# Allegro board SDHCalFEB_old.brd (continued)
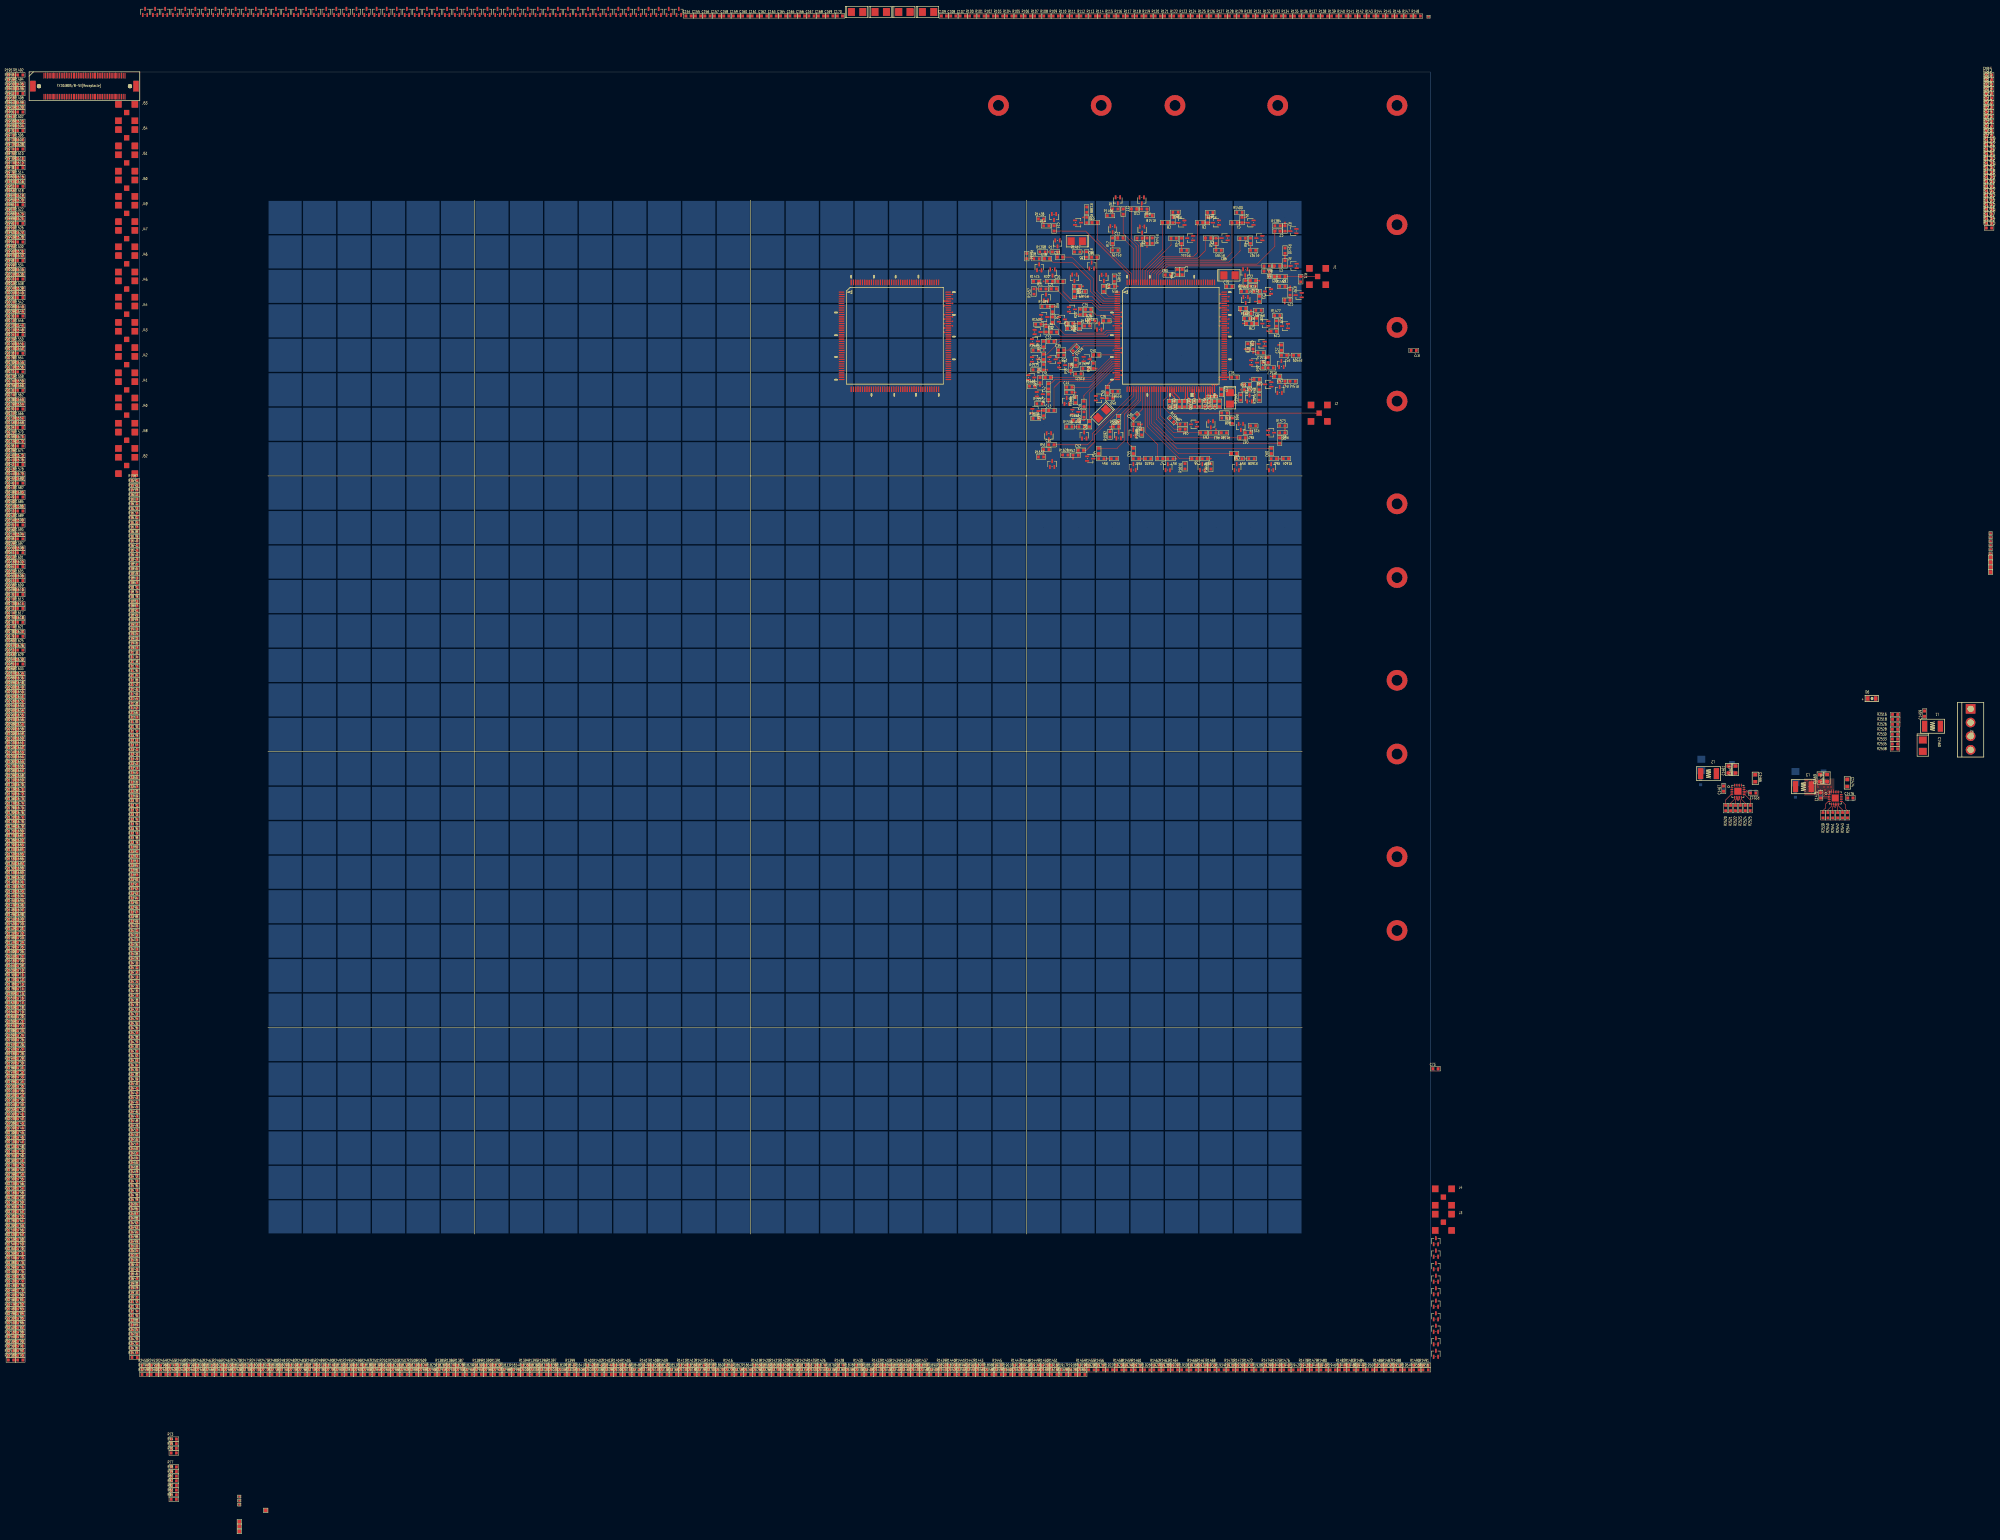
[diagram p0: board, top side]
## Footprints (pads in the part's own frame, mm; a bottom-side part is the same pattern mirrored in y, then rotated) (continued)
SC0603
  rect 0.813x0.889 smd: 1(-0.762,0) 2(0.762,0)
SC0805
  rect 1.016x1.143 smd: 1(-1.016,0) 2(1.016,0)
SC1206
  rect 1.397x1.651 smd: 1(-1.397,0) 2(1.397,0)
SD0805
  rect 1.016x1.27 smd: 1(-1.143,0) 2(1.143,0)
SIP-4P-156
  rect 2.794x2.794 hole 1.778: 1(-5.944,0)
  round 2.794 hole 1.778: 2(-1.981,0) 3(1.981,0) 4(5.944,0)
SL1812
  rect 1.524x3.175 smd: 1(-2.286,0) 2(2.286,0)
SMA_SMD
  rect 1.524x1.524 smd: 1(0,0)
  rect 1.905x1.905 smd: 2(2.375,2.375) 3(2.375,-2.375) 4(-2.375,-2.375) 5(-2.375,2.375)
SR0603
  rect 0.762x0.813 smd: 1(-0.762,0) 2(0.762,0)
STC3528
  rect 2.032x2.286 smd: 1(-1.651,0) 2(1.651,0)
TESTPAD
  rect 0.635x0.508 smd: 1(0,0)
TESTPADGND
  rect 1.016x1.016 smd: 1(0,0)
TPS7A85
  oval 0.813x0.254 smd: 1(-1.75,1) 2(-1.75,0.5) 3(-1.75,0) 4(-1.75,-0.5) 5(-1.75,-1) 11(1.75,-1) 12(1.75,-0.5) 13(1.75,0) 14(1.75,0.5) 15(1.75,1)
  oval 0.254x0.813 smd: 6(-1,-1.75) 7(-0.5,-1.75) 8(0,-1.75) 9(0.5,-1.75) 10(1,-1.75) 16(1,1.75) 17(0.5,1.75) 18(0,1.75) 19(-0.5,1.75) 20(-1,1.75)
  rect 2.057x2.057 smd: 21(0,0)

## Nets
+5VIN: J55.2 J55.3 L1.1
GND: C67.1 C68.1 C69.1 C70.1 C71.1 C72.1 C73.1 C74.1 C75.2 C76.2 C77.2 C78.2 C79.2 C80.2 C81.2 C82.2 C83.2 C84.2 C85.2 C86.2 C87.2 C154.1 C155.1 C156.1 C157.1 C158.1 C159.1 C160.1 C161.1 C162.2 C163.2 C164.2 C165.2 C166.2 C167.2 C168.2 C169.2 C170.2 C171.2 C172.2 C173.2 C174.2 C1459.2 C1460.2 C1461.2 C1462.2 C1463.2 C1465.2 C1466.1 C1468.2 C1469.2 C1470.2 C1471.2 C1472.2 C1473.2 C1474.1 C1476.2 D6.2(CATHODE) J1.2 J1.3 J1.4 J1.5 J2.2 J2.3 J2.4 J2.5 J3.2 J3.3 J3.4 J3.5 J4.2 J4.3 J4.4 J4.5 J40.2 J40.3 J40.4 J40.5 J41.2 J41.3 J41.4 J41.5 J42.2 J42.3 J42.4 J42.5 J43.2 J43.3 J43.4 J43.5 J44.2 J44.3 J44.4 J44.5 J45.2 J45.3 J45.4 J45.5 J46.2 J46.3 J46.4 J46.5 J47.2 J47.3 J47.4 J47.5 J48.2 J48.3 J48.4 J48.5 J49.2 J49.3 J49.4 J49.5 J50.2 J50.3 J50.4 J50.5 J51.2 J51.3 J51.4 J51.5 J52.2 J52.3 J52.4 J52.5 J53.2 J53.3 J53.4 J53.5 J54.2 J54.3 J54.4 J54.5 J55.1 J55.4 R69.2 R71.2 R72.1 R154.2 R155.1 R1384.1 R1385.1 R1386.1 R1387.1 R1388.1 R1389.1 R1390.1 R1391.1 R1392.1 R1393.1 R1394.1 R1395.1 R1396.1 R1397.1 R1398.1 R1399.1 R1400.1 R1401.1 R1402.1 R1403.1 R1404.1 R1405.1 R1406.1 R1407.1 R1408.1 R1409.1 R1410.1 R1411.1 R1412.1 R1413.1 R1414.1 R1415.1 R1416.1 R1417.1 R1418.1 R1419.1 R1420.1 R1421.1 R1422.1 R1423.1 R1424.1 R1425.1 R1426.1 R1427.1 R1428.1 R1429.1 R1430.1 R1431.1 R1432.1 R1433.1 R1434.1 R1435.1 R1436.1 R1437.1 R1438.1 R1439.1 R1440.1 R1441.1 R1442.1 R1443.1 R1444.1 R1445.1 R1446.1 R1447.1 R1448.1 R1449.1 R1450.1 R1451.1 R1452.1 R1453.1 R1454.1 R1455.1 R1456.1 R1457.1 R1458.1 R1459.1 R1460.1 R1461.1 R1462.1 R1463.1 R1464.1 R1465.1 R1466.1 R1467.1 R1468.1 R1469.1 R1470.1 R1471.1 R1472.1 R1473.1 R1474.1 R1475.1 R1476.1 R1477.1 R1478.1 R1479.1 R1480.1 R1481.1 R1482.1 R1483.1 R1484.1 R1485.1 R1486.1 R1487.1 R1488.1 R1489.1 R1490.1 R1491.1 R1492.1 R1493.1 R1494.1 R1495.1 R1496.1 R1497.1 R1498.1 R1499.1 R1500.1 R1501.1 R1502.1 R1503.1 R1504.1 R1505.1 R1506.1 R1507.1 R1508.1 R1509.1 R1510.1 R1511.1 R1512.1 R1513.1 R1514.1 R1515.1 R1516.1 R1517.1 R1518.1 R1519.1 R1520.1 R1521.1 R1522.1 R1523.1 R1524.1 R1525.1 R1526.1 R1527.1 R1528.1 R1529.1 R1530.1 R1531.1 R1532.1 R1533.1 R1534.1 R1535.1 R1536.1 R1537.1 R1538.1 R1539.1 R1540.1 R1541.1 R1542.1 R1543.1 R1544.1 R1545.1 R1546.1 R1547.1 R1548.1 R1549.1 R1550.1 R1551.1 R1552.1 R1553.1 R1554.1 R1555.1 R1556.1 R1557.1 R1558.1 R1559.1 R1560.1 R1561.1 R1562.1 R1563.1 R1564.1 R1565.1 R1566.1 R1567.1 R1568.1 R1569.1 R1570.1 R1571.1 R1572.1 R1573.1 R1574.1 R1575.1 R1576.1 R1577.1 R1578.1 R1579.1 R1580.1 R1581.1 R1582.1 R1583.1 R1584.1 R1585.1 R1586.1 R1587.1 R1588.1 R1589.1 R1590.1 R1591.1 R1592.1 R1593.1 R1594.1 R1595.1 R1596.1 R1597.1 R1598.1 R1599.1 R1600.1 R1601.1 R1602.1 R1603.1 R1604.1 R1605.1 R1606.1 R1607.1 R1608.1 R1609.1 R1610.1 R1611.1 R1612.1 R1613.1 R1614.1 R1615.1 R1616.1 R1617.1 R1618.1 R1619.1 R1620.1 R1621.1 R1622.1 R1623.1 R1624.1 R1625.1 R1626.1 R1627.1 R1628.1 R1629.1 R1630.1 R1631.1 R1632.1 R1633.1 R1634.1 R1635.1 R1636.1 R1637.1 R1638.1 R1639.1 R1648.1 R1649.1 R1650.1 R1651.1 R1652.1 R1653.1 R1654.1 R1655.1 R1656.1 R1657.1 R1658.1 R1659.1 R1660.1 R1661.1 R1662.1 R1663.1 R1664.1 R1665.1 R1666.1 R1667.1 R1668.1 R1669.1 R1670.1 R1671.1 R1672.1 R1673.1 R1674.1 R1675.1 R1676.1 R1677.1 R1678.1 R1679.1 R1680.1 R1681.1 R1682.1 R1683.1 R1684.1 R1685.1 R1686.1 R1687.1 R1688.1 R1689.1 R1690.1 R1691.1 R1692.1 R1693.1 R1694.1 R1695.1 R1696.1 R1697.1 R1698.1 R1699.1 R1700.1 R1701.1 R1702.1 R1703.1 R1704.1 R1705.1 R1706.1 R1707.1 R1708.1 R1709.1 R1710.1 R1711.1 R1712.1 R1713.1 R1714.1 R1715.1 R1716.1 R1717.1 R1718.1 R1719.1 R1720.1 R1721.1 R1722.1 R1723.1 R1724.1 R1725.1 R1726.1 R1727.1 R1728.1 R1729.1 R1730.1 R1731.1 R1732.1 R1733.1 R1734.1 R1735.1 R1736.1 R1737.1 R1738.1 R1739.1 R1740.1 R1741.1 R1742.1 R1743.1 R1744.1 R1745.1 R1746.1 R1747.1 R1748.1 R1749.1 R1750.1 R1751.1 R1752.1 R1753.1 R1754.1 R1755.1 R1756.1 R1757.1 R1758.1 R1759.1 R1760.1 R1761.1 R1762.1 R1763.1 R1764.1 R1765.1 R1766.1 R1767.1 R1768.1 R1769.1 R1770.1 R1771.1 R1772.1 R1773.1 R1774.1 R1775.1 R1776.1 R1777.1 R1778.1 R1779.1 R1780.1 R1781.1 R1782.1 R1783.1 R1784.1 R1785.1 R1786.1 R1787.1 R1788.1 R1789.1 R1790.1 R1791.1 R1792.1 R1793.1 R1794.1 R1795.1 R1796.1 R1797.1 R1798.1 R1799.1 R1800.1 R1801.1 R1802.1 R1803.1 R1804.1 R1805.1 R1806.1 R1807.1 R1808.1 R1809.1 R1810.1 R1811.1 R1812.1 R1813.1 R1814.1 R1815.1 R1816.1 R1817.1 R1818.1 R1819.1 R1820.1 R1821.1 R1822.1 R1823.1 R1824.1 R1825.1 R1826.1 R1827.1 R1828.1 R1829.1 R1830.1 R1831.1 R1832.1 R1833.1 R1834.1 R1835.1 R1836.1 R1837.1 R1838.1 R1839.1 R1840.1 R1841.1 R1842.1 R1843.1 R1844.1 R1845.1 R1846.1 R1847.1 R1848.1 R1849.1 R1850.1 R1851.1 R1852.1 R1853.1 R1854.1 R1855.1 R1856.1 R1857.1 R1858.1 R1859.1 R1860.1 R1861.1 R1862.1 R1863.1 R1864.1 R1865.1 R1866.1 R1867.1 R1868.1 R1869.1 R1870.1 R1871.1 R1872.1 R1873.1 R1874.1 R1875.1 R1876.1 R1877.1 R1878.1 R1879.1 R1880.1 R1881.1 R1882.1 R1883.1 R1884.1 R1885.1 R1886.1 R1887.1 R1888.1 R1889.1 R1890.1 R1891.1 R1892.1 R1893.1 R1894.1 R1895.1 R1896.1 R1897.1 R1898.1 R1899.1 R1900.1 R1901.1 R1902.1 R1903.1 R1912.1 R1913.1 R1914.1 R1915.1 R1916.1 R1917.1 R1918.1 R1919.1 R1920.1 R1921.1 R1922.1 R1923.1 R1924.1 R1925.1 R1926.1 R1927.1 R1928.1 R1929.1 R1930.1 R1931.1 R1932.1 R1933.1 R1934.1 R1935.1 R1936.1 R1937.1 R1938.1 R1939.1 R1940.1 R1941.1 R1942.1 R1943.1 R1944.1 R1945.1 R1946.1 R1947.1 R1948.1 R1949.1 R1950.1 R1951.1 R1952.1 R1953.1 R1954.1 R1955.1 R1956.1 R1957.1 R1958.1 R1959.1 R1960.1 R1961.1 R1962.1 R1963.1 R1964.1 R1965.1 R1966.1 R1967.1 R1968.1 R1969.1 R1970.1 R1971.1 R1972.1 R1973.1 R1974.1 R1975.1 R1976.1 R1977.1 R1978.1 R1979.1 R1980.1 R1981.1 R1982.1 R1983.1 R1984.1 R1985.1 R1986.1 R1987.1 R1988.1 R1989.1 R1990.1 R1991.1 R1992.1 R1993.1 R1994.1 R1995.1 R1996.1 R1997.1 R1998.1 R1999.1 R2000.1 R2001.1 R2002.1 R2003.1 R2004.1 R2005.1 R2006.1 R2007.1 R2008.1 R2009.1 R2010.1 R2011.1 R2012.1 R2013.1 R2014.1 R2015.1 R2016.1 R2017.1 R2018.1 R2019.1 R2020.1 R2021.1 R2022.1 R2023.1 R2024.1 R2025.1 R2026.1 R2027.1 R2028.1 R2029.1 R2030.1 R2031.1 R2032.1 R2033.1 R2034.1 R2035.1 R2036.1 R2037.1 R2038.1 R2039.1 R2040.1 R2041.1 R2042.1 R2043.1 R2044.1 R2045.1 R2046.1 R2047.1 R2048.1 R2049.1 R2050.1 R2051.1 R2052.1 R2053.1 R2054.1 R2055.1 R2056.1 R2057.1 R2058.1 R2059.1 R2060.1 R2061.1 R2062.1 R2063.1 R2064.1 R2065.1 R2066.1 R2067.1 R2068.1 R2069.1 R2070.1 R2071.1 R2072.1 R2073.1 R2074.1 R2075.1 R2076.1 R2077.1 R2078.1 R2079.1 R2080.1 R2081.1 R2082.1 R2083.1 R2084.1 R2085.1 R2086.1 R2087.1 R2088.1 R2089.1 R2090.1 R2091.1 R2092.1 R2093.1 R2094.1 R2095.1 R2096.1 R2097.1 R2098.1 R2099.1 R2100.1 R2101.1 R2102.1 R2103.1 R2104.1 R2105.1 R2106.1 R2107.1 R2108.1 R2109.1 R2110.1 R2111.1 R2112.1 R2113.1 R2114.1 R2115.1 R2116.1 R2117.1 R2118.1 R2119.1 R2120.1 R2121.1 R2122.1 R2123.1 R2124.1 R2125.1 R2126.1 R2127.1 R2128.1 R2129.1 R2130.1 R2131.1 R2132.1 R2133.1 R2134.1 R2135.1 R2136.1 R2137.1 R2138.1 R2139.1 R2140.1 R2141.1 R2142.1 R2143.1 R2144.1 R2145.1 R2146.1 R2147.1 R2148.1 R2149.1 R2150.1 R2151.1 R2152.1 R2153.1 R2154.1 R2155.1 R2156.1 R2157.1 R2158.1 R2159.1 R2160.1 R2161.1 R2162.1 R2163.1 R2164.1 R2165.1 R2166.1 R2167.1 R2176.1 R2177.1 R2178.1 R2179.1 R2180.1 R2181.1 R2182.1 R2183.1 R2184.1 R2185.1 R2186.1 R2187.1 R2188.1 R2189.1 R2190.1 R2191.1 R2192.1 R2193.1 R2194.1 R2195.1 R2196.1 R2197.1 R2198.1 R2199.1 R2200.1 R2201.1 R2202.1 R2203.1 R2204.1 R2205.1 R2206.1 R2207.1 R2208.1 R2209.1 R2210.1 R2211.1 R2212.1 R2213.1 R2214.1 R2215.1 R2216.1 R2217.1 R2218.1 R2219.1 R2220.1 R2221.1 R2222.1 R2223.1 R2224.1 R2225.1 R2226.1 R2227.1 R2228.1 R2229.1 R2230.1 R2231.1 R2232.1 R2233.1 R2234.1 R2235.1 R2236.1 R2237.1 R2238.1 R2239.1 R2240.1 R2241.1 R2242.1 R2243.1 R2244.1 R2245.1 R2246.1 R2247.1 R2248.1 R2249.1 R2250.1 R2251.1 R2252.1 R2253.1 R2254.1 R2255.1 R2256.1 R2257.1 R2258.1 R2259.1 R2260.1 R2261.1 R2262.1 R2263.1 R2264.1 R2265.1 R2266.1 R2267.1 R2268.1 R2269.1 R2270.1 R2271.1 R2272.1 R2273.1 R2274.1 R2275.1 R2276.1 R2277.1 R2278.1 R2279.1 R2280.1 R2281.1 R2282.1 R2283.1 R2284.1 R2285.1 R2286.1 R2287.1 R2288.1 R2289.1 R2290.1 R2291.1 R2292.1 R2293.1 R2294.1 R2295.1 R2296.1 R2297.1 R2298.1 R2299.1 R2300.1 R2301.1 R2302.1 R2303.1 R2304.1 R2305.1 R2306.1 R2307.1 R2308.1 R2309.1 R2310.1 R2311.1 R2312.1 R2313.1 R2314.1 R2315.1 R2316.1 R2317.1 R2318.1 R2319.1 R2320.1 R2321.1 R2322.1 R2323.1 R2324.1 R2325.1 R2326.1 R2327.1 R2328.1 R2329.1 R2330.1 R2331.1 R2332.1 R2333.1 R2334.1 R2335.1 R2336.1 R2337.1 R2338.1 R2339.1 R2340.1 R2341.1 R2342.1 R2343.1 R2344.1 R2345.1 R2346.1 R2347.1 R2348.1 R2349.1 R2350.1 R2351.1 R2352.1 R2353.1 R2354.1 R2355.1 R2356.1 R2357.1 R2358.1 R2359.1 R2360.1 R2361.1 R2362.1 R2363.1 R2364.1 R2365.1 R2366.1 R2367.1 R2368.1 R2369.1 R2370.1 R2371.1 R2372.1 R2373.1 R2374.1 R2375.1 R2376.1 R2377.1 R2378.1 R2379.1 R2380.1 R2381.1 R2384.1 R2385.1 R2386.1 R2387.1 R2390.1 R2391.1 R2392.1 R2393.1 R2394.1 R2395.1 R2396.1 R2397.1 R2400.1 R2401.1 R2402.1 R2403.1 R2406.1 R2407.1 R2408.1 R2409.1 R2410.1 R2411.1 R2412.1 R2413.1 R2416.1 R2417.1 R2418.1 R2419.1 R2422.1 R2423.1 R2424.1 R2425.1 R2426.1 R2427.1 R2428.1 R2429.1 R2432.1 R2433.1 R2434.1 R2435.1 R2438.1 R2439.1 R2440.1 R2441.1 R2442.1 R2443.1 R2444.1 R2445.1 R2448.1 R2449.1 R2513.1 R2520.1 R2521.1 R2522.1 R2523.1 R2524.1 R2525.1 R2531.1 R2539.1 R2540.1 R2541.1 R2542.1 R2543.1 R2544.1 TP1.1 TP2.1 TP6.1 TP7.1 TP12.1 TP13.1 TP21.1 TP22.1 U1.1(P) U1.2(N) U2.1(P) U2.2(N) U3.1(P) U3.2(N) U4.1(P) U4.2(N) U5.1(P) U5.2(N) U6.1(P) U6.2(N) U7.1(P) U7.2(N) U8.1(P) U8.2(N) U9.1(P) U9.2(N) U10.1(P) U10.2(N) U11.1(P) U11.2(N) U12.1(P) U12.2(N) U13.1(P) U13.2(N) U14.1(P) U14.2(N) U15.1(P) U15.2(N) U16.1(P) U16.2(N) U17.1(P) U17.2(N) U18.1(P) U18.2(N) U19.1(P) U19.2(N) U20.1(P) U20.2(N) U21.1(P) U21.2(N) U22.1(P) U22.2(N) U23.1(P) U23.2(N) U24.1(P) U24.2(N) U25.1(P) U25.2(N) U26.1(P) U26.2(N) U27.1(P) U27.2(N) U28.1(P) U28.2(N) U29.1(P) U29.2(N) U30.1(P) U30.2(N) U31.1(P) U31.2(N) U32.1(P) U32.2(N) U33.1(P) U33.2(N) U34.1(P) U34.2(N) U35.1(P) U35.2(N) U36.1(P) U36.2(N) U37.1(P) U37.2(N) U38.1(P) U38.2(N) U39.1(P) U39.2(N) U40.1(P) U40.2(N) U41.1(P) U41.2(N) U42.1(P) U42.2(N) U43.1(P) U43.2(N) U44.1(P) U44.2(N) U45.1(P) U45.2(N) U46.1(P) U46.2(N) U47.1(P) U47.2(N) U48.1(P) U48.2(N) U49.1(P) U49.2(N) U50.1(P) U50.2(N) U51.1(P) U51.2(N) U52.1(P) U52.2(N) U53.1(P) U53.2(N) U54.1(P) U54.2(N) U55.1(P) U55.2(N) U56.1(P) U56.2(N) U57.1(P) U57.2(N) U58.1(P) U58.2(N) U59.1(P) U59.2(N) U60.1(P) U60.2(N) U61.1(P) U61.2(N) U62.1(P) U62.2(N) U63.1(P) U63.2(N) U64.1(P) U64.2(N) U65.1(VSSI#1) U65.21(GND_PA#21) U65.41(VSSI#41) U65.42(GND_PA#42) U65.57(GND_PA#57) U65.58(VSSI#58) U65.64(VSSA#64) U65.66(GND_DAC) U65.69(GND_BG) U65.74(VSSA#74) U65.75(VSSM#75) U65.81(VSSD#81) U65.101(VSSD#101) U65.103(RTN) U65.121(VSSD#121) U65.122(GNDD) U65.125(GND_DISCRI) U65.126(VSSM#126) U65.127(VSSA#127) U65.138(GND_SC) U65.139(VSSA#139) U65.140(GND2_PA) U65.141(GND_CAPA) U65.142(GND_SH) U65.144(VSSI#144) U65.145(GND_PA#145) U65.160(GND_PA#160) U66.1(P) U66.2(N) U67.1(P) U67.2(N) U68.1(P) U68.2(N) U69.1(P) U69.2(N) U70.1(P) U70.2(N) U71.1(P) U71.2(N) U72.1(P) U72.2(N) U73.1(P) U73.2(N) U74.1(P) U74.2(N) U75.1(P) U75.2(N) U76.1(P) U76.2(N) U77.1(P) U77.2(N) U78.1(P) U78.2(N) U79.1(P) U79.2(N) U80.1(P) U80.2(N) U81.1(P) U81.2(N) U82.1(P) U82.2(N) U83.1(P) U83.2(N) U84.1(P) U84.2(N) U85.1(P) U85.2(N) U86.1(P) U86.2(N) U87.1(P) U87.2(N) U88.1(P) U88.2(N) U89.1(P) U89.2(N) U90.1(P) U90.2(N) U91.1(P) U91.2(N) U92.1(P) U92.2(N) U93.1(P) U93.2(N) U94.1(P) U94.2(N) U95.1(P) U95.2(N) U96.1(P) U96.2(N) U97.1(P) U97.2(N) U98.1(P) U98.2(N) U99.1(P) U99.2(N) U100.1(P) U100.2(N) U101.1(P) U101.2(N) U102.1(P) U102.2(N) U103.1(P) U103.2(N) U104.1(P) U104.2(N) U105.1(P) U105.2(N) U106.1(P) U106.2(N) U107.1(P) U107.2(N) U108.1(P) U108.2(N) U109.1(P) U109.2(N) U110.1(P) U110.2(N) U111.1(P) U111.2(N) U112.1(P) U112.2(N) U113.1(P) U113.2(N) U114.1(P) U114.2(N) U115.1(P) U115.2(N) U116.1(P) U116.2(N) U117.1(P) U117.2(N) U118.1(P) U118.2(N) U119.1(P) U119.2(N) U120.1(P) U120.2(N) U121.1(P) U121.2(N) U122.1(P) U122.2(N) U123.1(P) U123.2(N) U124.1(P) U124.2(N) U125.1(P) U125.2(N) U126.1(P) U126.2(N) U127.1(P) U127.2(N) U128.1(P) U128.2(N) U129.1(P) U129.2(N) U130.1(VSSI#1) U130.21(GND_PA#21) U130.41(VSSI#41) U130.42(GND_PA#42) U130.57(GND_PA#57) U130.58(VSSI#58) U130.64(VSSA#64) U130.66(GND_DAC) U130.69(GND_BG) U130.74(VSSA#74) U130.75(VSSM#75) U130.81(VSSD#81) U130.101(VSSD#101) U130.103(RTN) U130.121(VSSD#121) U130.122(GNDD) U130.125(GND_DISCRI) U130.126(VSSM#126) U130.127(VSSA#127) U130.138(GND_SC) U130.139(VSSA#139) U130.140(GND2_PA) U130.141(GND_CAPA) U130.142(GND_SH) U130.144(VSSI#144) U130.145(GND_PA#145) U130.160(GND_PA#160) U1075.3 U1075.4 U1075.11(GND1) U1075.12(GND1-1) U1075.17 U1075.18 U1075.27 U1075.28 U1075.33(GND2) U1075.34(GND2-2) U1075.39 U1075.40 U1075.49 U1075.50 U1075.55(GND3) U1075.56(GND3-3) U1075.61 U1075.62 U1075.71 U1075.72 U1075.77(GND4) U1075.78(GND4-4) U1075.83 U1075.84 U1075.B1(PAD1) U1075.B2(PAD2) U1076.4(PG) U1076.8(GND#8) U1076.18(GND#18) U1076.21(THERMALPAD) U1077.4(PG) U1077.8(GND#8) U1077.18(GND#18) U1077.21(THERMALPAD)
VCC3.3VA: C79.1 C80.1 C81.1 C82.1 C83.1 C84.1 C85.1 C162.1 C163.1 C164.1 C165.1 C166.1 C167.1 C168.1 C169.1 C170.1 C171.1 C172.1 C173.1 C174.1 C1464.1 C1465.1 L2.2 R77.1 R78.2 R79.1 R80.1 R81.1 R82.1 R83.1 R84.1 R160.1 R161.2 R162.1 R163.1 R164.1 R165.1 R166.1 R167.1 U65.60(VDD_PA) U65.67(VDD_DAC) U65.68(VDD_BG) U65.76(VDD_DISCRI) U65.143(VDD_SH) U130.60(VDD_PA) U130.67(VDD_DAC) U130.68(VDD_BG) U130.76(VDD_DISCRI) U130.143(VDD_SH)
